# Altium PCB TCM.PcbDoc (part 9 of 10) (continued)
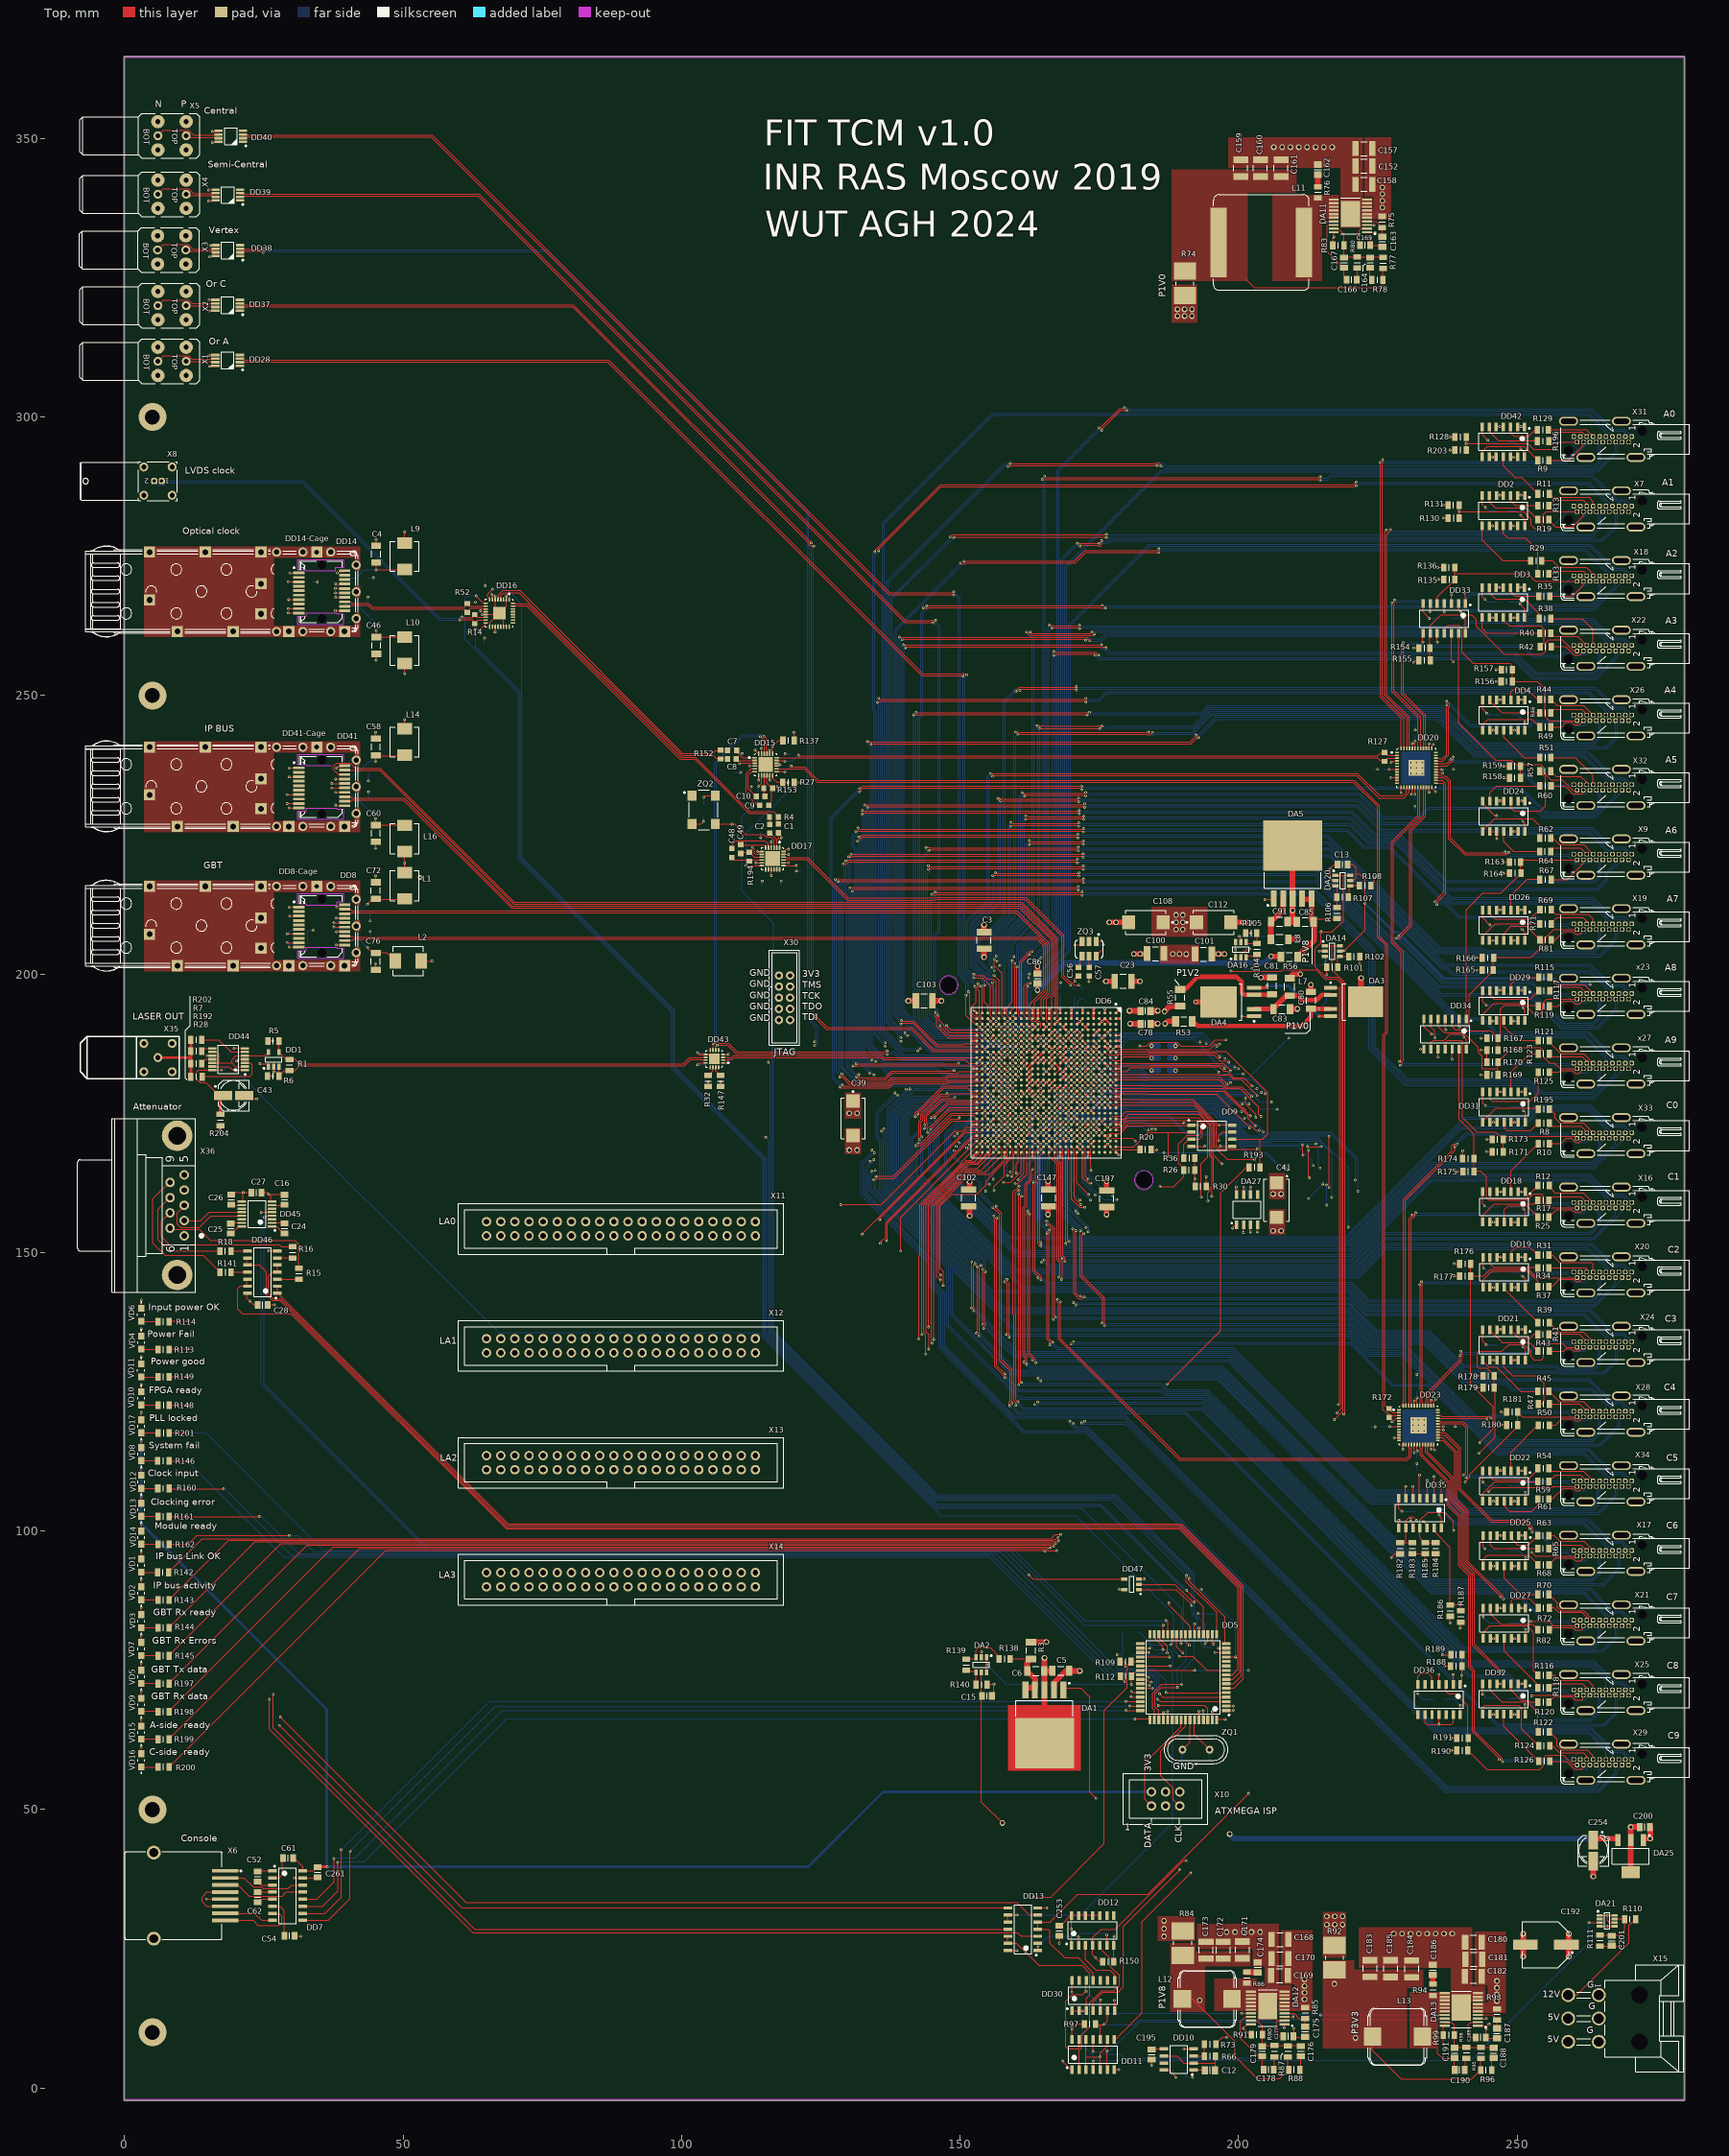
[diagram p0: Top view]
## Nets (pads, with @x,y where several pads share a name; then routed paths per layer and width w, separated by ;. In a path a pad name is that pad's centre, name@x,y a point inside that pad or via, vN(x,y) a via of type N, cw(c..) or ccw(c..) an arc to the next point about the centre after c; other vN are vias at no path point) (continued)
  Top w0.1: v1(175.5,184.5) DD6.C9@176,185
  Top w0.15: DD3.2@250.08,269.471 v1(250.679,269.471) DD3.1@251.35,269.471
  L3 w0.15: v1(199.345,183.331) 199.52,183.506 214.188,183.506 244.084,213.402 244.084,261.188 247.152,264.257 247.152,265.945 v1(250.679,269.471)
  Bot w0.1: v1(175.5,184.5) 176.808,184.5 179.316,187.007 179.316,187.344 180.261,188.289 180.5,188.289
  Bot w0.15: 180.5,188.289 192.017,188.289 196.471,183.835 197.817,183.835 197.925,183.727 198.95,183.727 v1(199.345,183.331)
TCM_SPI_MOSIA_3: DD3.12 DD3.13 DD6.G10 | length 143.7
  Top w0.1: v1(171.5,183.5) DD6.G10@172,184
  Top w0.15: DD3.12@248.81,263.971 v1(249.488,263.971) DD3.13@250.08,263.971
  L3 w0.15: v1(199.977,183) 200.182,183.206 214.312,183.206 244.41,213.304 244.41,242.869 245.046,243.505 245.046,261.38 247.637,263.971 v1(249.488,263.971)
  Bot w0.1: v1(171.5,183.5) 172.026,184.026 172.742,184.026 172.821,184.105 174.336,184.105 175.663,184.105 177.059,184.105 178.949,185.996 180.5,185.996
  Bot w0.15: 180.5,185.996 185.295,185.996 185.3,186 187.9,186 187.905,185.996 193.886,185.996 196.347,183.535 197.693,183.535 197.801,183.427 198.577,183.427 199.137,182.866 199.843,182.866 v1(199.977,183)
TCM_SPI_MOSIA_4: DD4.9 DD4.10 DD6.B10 | length 113.4
  Top w0.1: DD6.B10@177,184 177.5,183.5 180.5,183.5
  Top w0.15: 180.5,183.5 183.892,183.5 184.028,183.637 196.933,183.637 v1(197.5,183.07) ; DD4.9@245.092,243.762 v1(245.727,243.762) DD4.10@246.362,243.762
  L3 w0.15: v1(197.5,183.07) 198.769,183.07 199.304,182.535 200.169,182.535 200.54,182.906 214.436,182.906 244.71,213.179 244.71,242.745 v1(245.727,243.762)
TCM_SPI_MOSIA_5: DD6.G11 DD24.4 DD24.5 | length 109.1
  Top w0.1: DD6.G11@172,183.001 v1(172.5,183.5)
  Top w0.15: DD24.5@246.354,231.102 v1(246.94,231.102) DD24.4@247.624,231.102
  L3 w0.15: v1(196.475,182.348) 197.54,181.284 198.894,181.284 199.183,180.994 201.249,180.994 201.661,181.406 215.058,181.406 246.21,212.558 246.21,223.324 246.94,224.054 v1(246.94,231.102)
  Bot w0.1: v1(172.5,183.5) 172.904,183.905 174.253,183.905 175.746,183.905 ; 175.746,183.905 178.372,183.905 178.603,183.674 180.5,183.674
  Bot w0.15: 180.5,183.674 182.401,183.674 182.527,183.8 195.024,183.8 v1(196.475,182.348)
TCM_SPI_MOSIA_6: DD6.B11 DD26.1 DD26.2 | length 90.1
  Top w0.1: DD6.B11@177,183 177.499,182.5 179.881,182.5 180.5,183.12
  Top w0.15: 180.5,183.12 180.58,183.2 184.016,183.2 184.153,183.337 196.576,183.337 197.307,182.605 197.919,182.605 199.125,181.4 200.948,181.4 v1(202.443,179.905) ; DD26.2@250.156,211.528 v1(250.785,211.528) DD26.1@251.426,211.528
  L3 w0.15: v1(202.443,179.905) 202.743,180.206 215.555,180.206 245.693,210.344 246.733,210.344 247.917,211.528 v1(250.785,211.528)
TCM_SPI_MOSIA_7: DD6.E12 DD26.12 DD26.13 | length 89.3
  Top w0.1: DD6.E12@174,182 v1(174.5,181.5)
  Top w0.15: DD26.12@248.886,206.028 v1(249.521,206.028) DD26.13@250.156,206.028
  L3 w0.15: v1(203.312,179.44) 203.477,179.605 215.802,179.605 241.524,205.326 246.008,205.326 246.711,206.028 v1(249.521,206.028)
  Bot w0.1: v1(174.5,181.5) 174.941,181.5 175.336,181.895 177.888,181.895 178.184,181.6 180.5,181.6
  Bot w0.15: 180.5,181.6 182.353,181.6 183.553,180.4 197.115,180.4 198.178,179.337 203.209,179.337 v1(203.312,179.44)
TCM_SPI_MOSIA_8: DD6.J13 DD29.9 DD29.10 | length 85.9
  Top w0.1: v1(169.5,180.5) DD6.J13@170,181
  Top w0.15: DD29.9@245.23,191.576 v1@245.691,191.576 ; v1(245.691,191.555) v1@245.691,191.576 ; DD29.10@246.357,191.576 v1@245.691,191.576
  L3 w0.1: v1(169.5,180.5) 169.895,180.895 173.664,180.895 ; 173.664,180.895 174.664,180.895 175.105,180.454 175.105,180.337 175.337,180.105 177.663,180.105 177.988,180.43 180.5,180.43
  L3 w0.15: 180.5,180.43 182.199,180.43 182.41,180.219 196.023,180.219 197.769,178.473 202.549,178.473 202.822,178.201 202.822,178.062 203.475,177.408 205.217,177.408 205.597,177.788 216.531,177.788 226.648,187.905 240.674,187.905 244.324,191.555 v1(245.691,191.555)
TCM_SPI_MOSIA_9: DD6.D13 DD31.4 DD31.5 | length 76.6
  Top w0.1: DD6.D13@175,181 v1(175.5,180.5)
  Top w0.15: DD31.5@246.395,178.9 v1(247.03,178.9) DD31.4@247.665,178.9
  L3 w0.15: v1(201.897,176.7) 202.657,175.94 206.385,175.94 206.703,176.257 217.122,176.257 219.764,178.9 v1(247.03,178.9)
  Bot w0.1: v1(175.5,180.5) 176.105,179.895 176.663,179.895 176.882,179.677 180.5,179.677
  Bot w0.15: 180.5,179.677 182.58,179.677 183.056,179.2 196.618,179.2 198.653,177.165 200.857,177.165 201.322,176.7 v1(201.897,176.7)
TCM_SPI_MOSIC_0: DD6.H14 DD18.1 DD18.2 | length 90.5
  Top w0.1: v1(170.5,180.5) DD6.H14@171,180
  Top w0.15: DD18.2@250.218,160.938 v1(250.856,160.938) DD18.1@251.488,160.938
  L3 w0.15: v1(200.54,175.307) 200.856,174.991 205.798,174.991 206.107,174.682 237.112,174.682 v1(250.856,160.938)
  Bot w0.1: v1(170.5,180.5) 171.105,179.895 ; 171.106,179.895 171.664,179.895 172.105,179.455 172.105,179.337 172.346,179.095 175.746,179.095 175.936,178.905 179.598,178.905 179.604,178.9 180.5,178.9
  Bot w0.15: 180.5,178.9 182.508,178.9 182.861,178.546 196.423,178.546 199.663,175.307 v1(200.54,175.307)
TCM_SPI_MOSIC_1: DD6.C14 DD18.12 DD18.13 | length 86
  Top w0.1: DD6.C14@176,180 v1(176.5,179.5)
  Top w0.15: v1(201.226,177.708) 201.273,177.661 201.273,176.666 203.088,174.851 v1(203.088,174.265) ; DD18.12@248.948,155.438 v1(249.583,155.438) DD18.13@250.218,155.438
  L3 w0.1: v1(176.5,179.5) 177.529,179.5 177.639,179.61 180.5,179.61
  L3 w0.15: 180.5,179.61 195.784,179.61 197.686,177.708 v1(201.226,177.708) ; v1(203.088,174.265) 203.284,174.07 203.618,174.07 203.707,173.98 231.041,173.98 v1(249.583,155.438)
TCM_SPI_MOSIC_2: DD6.J15 DD19.9 DD19.10 | length 94.8
  Top w0.1: DD6.J15@170,179 v1@170.5,179.5
  Top w0.15: DD19.9@245.15,143.733 v1(245.785,143.733) DD19.10@246.42,143.733
  L3 w0.1: v1(170.5,179.5) 170.942,179.5 171.337,179.105 172.453,179.105 ; 172.453,179.105 173.612,179.105 174.212,178.505 174.653,178.505 175.253,177.905 175.746,177.905 176.236,178.395 178.914,178.395 179.145,178.164 180.5,178.164
  L3 w0.15: 180.5,178.164 195.533,178.164 197.364,176.332 198.171,176.332 201.64,172.863 202.15,172.863 202.774,172.24 203.365,172.24 203.598,172.473 220.642,172.473 245.785,147.33 v1(245.785,143.733)
TCM_SPI_MOSIC_3: DD6.D15 DD21.4 DD21.5 | length 95
  Top w0.1: DD6.D15@175,179 v1(175.5,178.5)
  Top w0.15: DD21.5@246.391,136.196 v1(247.032,136.196) DD21.4@247.661,136.196
  L3 w0.15: v1(204.422,171.708) 204.587,171.543 218.145,171.543 241.012,148.675 241.012,142.216 v1(247.032,136.196)
  Bot w0.1: v1(175.5,178.5) 179.306,178.5 179.604,178.202 180.5,178.202
  Bot w0.15: 180.5,178.202 182.357,178.202 182.613,177.946 196.174,177.946 200.938,173.183 203.232,173.183 204.422,171.993 v1(204.422,171.708)
TCM_SPI_MOSIC_4: DD6.K16 DD22.1 DD22.2 | length 126
  Top w0.1: v1(168.5,177.5) DD6.K16@169,178
  Top w0.15: DD22.2@250.215,110.851 v1(250.851,110.851) DD22.1@251.484,110.851
  L3 w0.15: v1(213.924,169.48) 213.924,169.268 214.65,168.542 215.97,168.542 220.775,163.737 221.286,163.737 231.848,153.175 231.848,131.012 250.851,112.009 v1(250.851,110.851)
  Bot w0.1: v1(168.5,177.5) 169.105,176.895 170.2,176.895 171,176.095 174.046,176.095 174.857,175.285 180.5,175.285
  Bot w0.15: 180.5,175.285 195.442,175.285 201.284,169.443 211.022,169.443 211.306,169.726 211.691,169.726 211.938,169.48 v1(213.924,169.48)
TCM_SPI_MOSIC_5: DD6.E16 DD22.12 DD22.13 | length 126.5
  Top w0.1: DD6.E16@174,178 v1(174.5,177.5)
  Top w0.15: DD22.12@248.944,105.351 v1(249.582,105.351) DD22.13@250.215,105.351
  L3 w0.15: v1(220.97,162.972) 220.97,162.626 231.248,152.347 231.248,130.743 246.344,115.647 246.344,108.589 v1(249.582,105.351)
  Bot w0.1: v1(174.5,177.5) 174.941,177.5 175.346,177.095 175.746,177.095 180.5,177.095
  Bot w0.15: 180.5,177.095 182.191,177.095 182.367,176.919 195.929,176.919 201.905,170.943 204.739,170.943 205.117,171.321 216.475,171.321 220.97,166.827 v1(220.97,162.972)
TCM_SPI_MOSIC_6: DD6.M17 DD25.9 DD25.10 | length 145.2
  Top w0.1: DD6.M17@167,177 v1(167.5,177.5)
  Top w0.15: DD25.9@245.166,93.713 v1(245.766,93.713) DD25.10@246.436,93.713
  L3 w0.1: v1(167.5,177.5) 168.105,176.895 168.105,176.336 168.547,175.895 168.664,175.895 169.105,175.453 169.105,175.337 169.547,174.895 171.034,174.895 171.428,174.501 180.44,174.501 180.465,174.526 180.5,174.526
  L3 w0.15: 180.5,174.526 193.288,174.526 200.614,167.2 209.619,167.2 214.117,162.702 214.117,162.69 215.852,160.954 216.773,160.954 223.434,154.293 223.434,103.376 228.495,98.315 241.164,98.315 v1(245.766,93.713)
TCM_SPI_MOSIC_7: DD6.G17 DD27.4 DD27.5 | length 149.6
  Top w0.1: DD6.G17@172,177 v1(172.5,177.5)
  Top w0.15: DD27.5@246.436,86.2 v1(247.067,86.2) DD27.4@247.706,86.2
  L3 w0.15: v1(216.755,159.89) 222.803,153.842 222.803,103.025 228.783,97.045 237.022,97.045 247.067,87 v1(247.067,86.2)
  Bot w0.1: v1(172.5,177.5) 172.941,177.5 173.336,177.105 173.663,177.105 173.891,176.878 174.664,176.878 175.105,176.437 175.105,176.336 175.536,175.905 176.746,175.905 176.811,175.97 180.5,175.97
  Bot w0.15: 180.5,175.97 195.605,175.97 201.533,170.043 205.677,170.043 205.961,170.326 214.181,170.326 216.755,167.752 v1(216.755,159.89)
TCM_SPI_MOSIC_8: DD6.B17 DD32.1 DD32.2 | length 153.4
  Top w0.1: DD6.B17@177,177 177.5,176.5 180.5,176.5
  Top w0.15: 180.5,176.5 191.987,176.5 195.41,173.077 195.41,167.561 197,165.971 v1(197,165.9) ; DD32.2@250.194,72.592 v1(250.829,72.592) DD32.1@251.464,72.592
  L3 w0.15: v1(197,165.9) 208.755,165.9 215.58,159.075 215.925,159.075 221.903,153.097 221.903,98.76 246.413,74.25 249.171,74.25 v1(250.829,72.592)
TCM_SPI_MOSIC_9: DD6.J18 DD32.12 DD32.13 | length 169.8
  Top w0.1: v1(169.5,175.5) DD6.J18@170,176
  Top w0.15: DD32.12@248.924,67.092 v1(249.58,67.092) DD32.13@250.194,67.092
  L3 w0.1: v1(169.5,175.5) 169.896,175.105 172.613,175.105 172.997,174.721 178.14,174.721 178.261,174.842 180.5,174.842
  L3 w0.15: 180.5,174.842 193.396,174.842 200.738,167.5 209.878,167.5 215.054,162.324 v1(215.14,162.324) ; v1(212.572,159.675) 220.326,151.922 220.326,88.386 236.21,72.502 236.898,72.502 242.773,66.627 249.115,66.627 v1(249.58,67.092)
  Bot w0.15: v1(212.572,159.675) 212.572,159.756 v1(215.14,162.324)
TCM_SPI_SELA_0: DD6.D8 DD42.1 DD42.2 | length 170.3
  Top w0.1: DD6.D8@175,186 v1(175.5,185.5)
  Top w0.15: DD42.2@250.082,298.297 v1(250.717,298.297) DD42.1@251.352,298.297
  L3 w0.1: v1(175.5,185.5) 176.105,186.105 176.105,186.766 176.444,187.105 176.663,187.105 177.953,188.395 178.914,188.395 178.985,188.323 180.026,188.323 180.099,188.25 180.5,188.25
  L3 w0.15: 180.5,188.25 183.818,188.25 183.893,188.325 191.133,188.325 193.543,185.915 213.203,185.915 241.684,214.396 241.684,286.79 246.237,291.344 246.237,291.406 250.717,295.886 v1(250.717,298.297)
TCM_SPI_SELA_1: DD6.F9 DD42.12 DD42.13 | length 168.2
  Top w0.1: v1(172.5,185.5) DD6.F9@173,185
  Top w0.15: DD42.12@248.812,292.797 v1(249.401,292.797) DD42.13@250.082,292.797
  L3 w0.1: v1(172.5,185.5) 172.895,185.105 175.813,185.105 177.105,186.397 177.105,186.663 177.336,186.895 177.826,186.895 178.536,187.605 178.914,187.605 179.252,187.944 180.5,187.944
  L3 w0.15: 180.5,187.944 183.936,187.944 184.017,188.025 191.008,188.025 193.419,185.615 213.327,185.615 241.984,214.272 241.984,286.666 248.115,292.797 v1(249.401,292.797)
TCM_SPI_SELA_2: DD2.9 DD2.10 DD6.A9 | length 145.9
  Top w0.1: DD6.A9@178,185 178.568,185.568 180.5,185.568
  Top w0.15: 180.5,185.568 183.759,185.568 184.017,185.825 195.923,185.825 v1(196.617,185.131) ; DD2.9@245.019,280.469 v1(245.654,280.469) DD2.10@246.289,280.469
  L3 w0.15: v1(196.617,185.131) 196.791,185.306 213.442,185.306 242.284,214.147 242.284,276.735 245.654,280.105 v1(245.654,280.469)
TCM_SPI_SELA_3: DD3.4 DD3.5 DD6.E10 | length 143.3
  Top w0.1: v1(173.5,183.5) DD6.E10@174,184
  Top w0.15: DD3.5@246.27,269.471 v1(246.832,269.471) DD3.4@247.54,269.471
  L3 w0.1: v1(173.5,183.5) 173.942,183.5 174.336,183.895 174.98,183.895 175.17,183.705 175.663,183.705 176.263,183.105 178.307,183.105 179.556,184.354 180.5,184.354
  L3 w0.15: 180.5,184.354 184.062,184.354 184.141,184.275 190.557,184.275 191.297,183.535 197.693,183.535 197.801,183.427 198.685,183.427 199.064,183.806 214.063,183.806 243.784,213.526 243.784,261.391 246.832,264.439 v1(246.832,269.471)
TCM_SPI_SELA_4: DD4.1 DD4.2 DD6.J11 | length 130.4
  Top w0.1: v1(169.5,183.5) DD6.J11@170,183
  Top w0.15: DD4.2@250.172,249.262 v1(250.781,249.262) DD4.1@251.442,249.262
  L3 w0.15: v1(200.808,182.059) 201.055,182.306 214.685,182.306 245.31,212.931 245.31,241.714 250.781,247.185 v1(250.781,249.262)
  Bot w0.1: v1(169.5,183.5) 169.895,183.105 176.664,183.105 176.954,183.395 178.964,183.395 179.013,183.345 180.5,183.345
  Bot w0.15: 180.5,183.345 182.305,183.345 184.05,181.6 196.942,181.6 197.401,182.059 v1(200.808,182.059)
TCM_SPI_SELA_5: DD4.12 DD4.13 DD6.D11 | length 120.5
  Top w0.1: v1(174.5,183.5) DD6.D11@175,183
  Top w0.15: DD4.12@248.902,243.762 v1(249.537,243.762) DD4.13@250.172,243.762
  L3 w0.1: v1(174.5,183.5) 175.485,183.5 176.398,182.586 179.254,182.586 180.5,183.832
  L3 w0.15: 180.5,183.832 180.579,183.911 190.497,183.911 191.202,183.206 196.7,183.206 198.023,181.884 199.142,181.884 199.432,181.594 201.001,181.594 201.412,182.006 214.809,182.006 245.61,212.807 245.61,239.835 v1(249.537,243.762)
TCM_SPI_SELA_6: DD6.G12 DD24.9 DD24.10 | length 104.5
  Top w0.1: v1@171.5,182.5 DD6.G12@172,182
  Top w0.15: DD24.9@245.084,225.602 246.354,225.602 246.354,224.331 v1(246.368,224.318)
  L3 w0.1: v1(171.5,182.5) 171.71,182.5 172.105,182.895 174.437,182.895 175.228,182.105 175.663,182.105 175.736,182.177 180.5,182.177
  L3 w0.15: 180.5,182.177 181.282,182.177 182.611,183.506 190.478,183.506 191.078,182.906 196.576,182.906 197.898,181.584 199.018,181.584 199.308,181.294 201.125,181.294 201.537,181.706 214.933,181.706 245.91,212.682 245.91,223.449 246.368,223.906 v1(246.368,224.318)
TCM_SPI_SELA_7: DD6.B12 DD26.4 DD26.5 | length 85.1
  Top w0.1: DD6.B12@177,182 177.5,181.5 180.5,181.5
  Top w0.15: 180.5,181.5 196.672,181.5 v1(197.954,180.219) ; DD26.5@246.346,211.528 v1(246.981,211.528) DD26.4@247.616,211.528
  L3 w0.15: v1(197.954,180.219) 198.119,180.054 201.606,180.054 202.058,180.506 215.43,180.506 246.453,211.528 v1(246.981,211.528)
TCM_SPI_SELA_8: DD6.F13 DD29.1 DD29.2 | length 88.1
  Top w0.1: DD6.F13@173,181 v1(173.5,181.5)
  Top w0.15: DD29.2@250.167,197.076 v1@250.819,197.076 ; v1(250.819,197.098) v1@250.819,197.076 ; DD29.1@251.5,197.076 251.437,197.076 v1@250.819,197.076
  L3 w0.15: v1(204.141,178.766) 204.364,178.988 216.034,178.988 233.649,196.603 250.324,196.603 v1(250.819,197.098)
  Bot w0.1: v1(173.5,181.5) 173.895,181.105 176.663,181.105 176.678,181.12 177.721,181.12 177.761,181.08 180.5,181.08
  Bot w0.15: 180.5,181.08 182.449,181.08 183.429,180.1 196.991,180.1 198.318,178.773 204.134,178.773 v1(204.141,178.766)
TCM_SPI_SELA_9: DD6.A13 DD29.12 DD29.13 | length 80.5
  Top w0.1: DD6.A13@178,181 180.5,181
  Top w0.15: 180.5,181 196.515,181 197.761,179.754 200.611,179.754 v1(202.357,178.008) ; DD29.12@248.849,191.614 248.887,191.576 248.897,191.576 v1@249.493,191.576 ; v1(249.493,191.601) v1@249.493,191.576 ; DD29.13@250.167,191.576 v1@249.493,191.576
  L3 w0.15: v1(202.357,178.008) 202.522,178.008 202.522,177.937 203.351,177.108 205.341,177.108 205.722,177.488 216.656,177.488 226.729,187.562 240.755,187.562 244.088,190.894 248.786,190.894 v1(249.493,191.601)
TCM_SPI_SELC_0: DD6.F14 DD31.9 DD31.10 | length 78.4
  Top w0.1: v1(172.5,180.5) DD6.F14@173,180
  Top w0.15: DD31.9@245.125,173.4 v1(245.768,173.4) DD31.10@246.395,173.4
  L3 w0.15: v1(200.664,176.7) 201.724,175.64 206.368,175.64 206.726,175.282 243.886,175.282 v1(245.768,173.4)
  Bot w0.1: v1(172.5,180.5) 172.88,180.12 173.321,180.12 173.336,180.105 173.664,180.105 173.679,180.12 173.883,180.12 174.083,179.92 175.638,179.92 176.105,179.454 176.105,179.337 176.336,179.105 176.663,179.105 176.797,179.239 180.5,179.239
  Bot w0.15: 180.5,179.239 182.593,179.239 182.932,178.9 196.494,178.9 198.694,176.7 v1(200.664,176.7)
TCM_SPI_SELC_1: DD6.A14 DD18.4 DD18.5 | length 78.9
  Top w0.1: DD6.A14@178,180 180.5,180
  Top w0.15: 180.5,180 197.091,180 197.637,179.454 200.253,179.454 203.593,176.114 203.593,174.872 v1(204.02,174.445) ; DD18.5@246.408,160.938 v1(247.043,160.938) DD18.4@247.678,160.938
  L3 w0.15: v1(204.02,174.445) 204.143,174.321 232.875,174.321 246.259,160.938 v1(247.043,160.938)
TCM_SPI_SELC_2: DD6.F15 DD19.1 DD19.2 | length 92.3
  Top w0.1: DD6.F15@173,179 v1(173.5,179.5)
  Top w0.15: DD19.2@250.23,149.233 v1(250.865,149.233) DD19.1@251.5,149.233
  L3 w0.1: v1(173.5,179.5) 174.294,178.705 174.736,178.705 175.336,178.105 175.663,178.105 176.153,178.595 178.996,178.595 179.004,178.587 180.5,178.587
  L3 w0.15: 180.5,178.587 195.533,178.587 197.489,176.632 198.497,176.632 200.477,174.652 201.367,174.652 201.678,174.341 201.678,174.333 202.542,173.47 203.369,173.47 203.466,173.373 226.726,173.373 v1(250.865,149.233)
TCM_SPI_SELC_3: DD6.A15 DD19.12 DD19.13 | length 89
  Top w0.1: DD6.A15@178,179 180.5,179
  Top w0.15: 180.5,179 197.242,179 197.388,178.854 197.391,178.854 198.308,177.936 ; 198.307,177.935 200.47,175.772 200.732,175.772 201.005,175.499 201.005,175.237 201.678,174.564 201.678,174.079 v1(203.052,172.705) ; DD19.12@248.96,143.733 v1(249.595,143.733) DD19.13@250.23,143.733
  L3 w0.15: v1(203.052,172.705) 203.12,172.773 222.29,172.773 249.595,145.468 v1(249.595,143.733)
TCM_SPI_SELC_4: DD6.H16 DD21.9 DD21.10 | length 102.3
  Top w0.1: DD6.H16@171,178 v1(171.5,178.5)
  Top w0.15: v1(212.386,169.007) v1(214.843,169.007) ; DD21.9@245.121,130.696 v1(245.756,130.696) DD21.10@246.391,130.696
  L3 w0.1: v1(171.5,178.5) 171.905,178.5 172.509,177.895 172.664,177.895 172.895,177.664 172.895,177.546 173.337,177.105 174.719,177.105 175.105,176.719 175.105,176.336 175.336,176.105 176.664,176.105 177.094,176.536 179.612,176.536 179.961,176.884 180.5,176.884
  L3 w0.15: 180.5,176.884 194.886,176.884 201.814,169.956 211.462,169.956 212.386,169.031 v1(212.386,169.007) ; v1(214.843,169.007) 216.163,169.007 221.133,164.037 221.411,164.037 236.851,148.597 236.851,144.283 245.756,135.378 v1(245.756,130.696)
TCM_SPI_SELC_5: DD6.C16 DD22.4 DD22.5 | length 116.1
  Top w0.1: DD6.C16@176,178 v1(176.5,177.5)
  Top w0.15: DD22.5@246.405,110.851 v1@247.04,110.851 ; v1(247.034,110.86) 247.034,110.856 v1@247.04,110.851 ; DD22.4@247.674,110.851 v1@247.04,110.851
  L3 w0.1: v1(176.5,177.5) 179.362,177.5 179.706,177.844 180.5,177.844
  L3 w0.15: 180.5,177.844 195.199,177.844 202.187,170.856 212.043,170.856 213.459,169.44 213.459,169.287 214.504,168.242 215.741,168.242 220.546,163.437 221.162,163.437 231.548,153.051 231.548,130.887 231.598,130.838 231.598,130.818 247.034,115.381 v1(247.034,110.86)
TCM_SPI_SELC_6: DD6.K17 DD25.1 DD25.2 | length 145.2
  Top w0.1: DD6.K17@169,177 v1(169.5,176.5)
  Top w0.15: DD25.2@250.246,99.213 v1(250.892,99.213) DD25.1@251.516,99.213
  L3 w0.15: v1(213.442,165.631) 225.001,154.072 225.001,103.745 227.808,100.938 249.167,100.938 v1(250.892,99.213)
  Bot w0.1: v1(169.5,176.5) 170.105,175.895 170.664,175.895 ; 170.664,175.895 173.929,175.895 174.857,174.968 180.5,174.968
  Bot w0.15: 180.5,174.968 195.292,174.968 201.117,169.143 210.544,169.143 213.131,166.555 213.131,165.942 v1(213.442,165.631)
TCM_SPI_SELC_7: DD6.E17 DD25.12 DD25.13 | length 148.6
  Top w0.1: v1(173.5,177.5) DD6.E17@174,177
  Top w0.15: v1(216.283,161.663) v1(216.283,170.856) ; DD25.12@248.976,93.713 v1(249.58,93.713) DD25.13@250.246,93.713
  L3 w0.15: v1(216.283,161.663) 216.488,161.663 223.734,154.417 223.734,103.719 228.562,98.891 245.216,98.891 249.58,94.527 v1(249.58,93.713)
  Bot w0.1: v1(173.5,177.5) 173.553,177.5 173.975,177.078 174.746,177.078 174.929,176.895 175.664,176.895 ; 175.664,176.895 176.664,176.895 176.894,176.665 180.5,176.665
  Bot w0.15: 180.5,176.665 182.197,176.665 182.243,176.619 195.804,176.619 201.781,170.643 204.863,170.643 205.147,170.926 216.212,170.926 v1(216.283,170.856)
TCM_SPI_SELC_8: DD6.L18 DD27.9 DD27.10 | length 149.2
  Top w0.1: v1(167.5,175.5) DD6.L18@168,176
  Top w0.15: DD27.9@245.166,80.7 v1(245.766,80.7) DD27.10@246.436,80.7
  L3 w0.1: v1(167.5,175.5) 167.941,175.5 169.336,174.105 171.312,174.105 171.426,174.22 180.5,174.22
  L3 w0.15: 180.5,174.22 193.17,174.22 201.006,166.384 202.531,166.384 202.645,166.27 208.809,166.27 215.704,159.375 216.05,159.375 222.203,153.221 222.203,102.777 228.534,96.445 228.581,96.445 243.126,81.9 244.566,81.9 v1(245.766,80.7)
TCM_SPI_SELC_9: DD6.F18 DD32.4 DD32.5 | length 158.2
  Top w0.1: v1(172.5,175.5) DD6.F18@173,176
  Top w0.15: DD32.5@246.384,72.592 v1(246.932,72.592) DD32.4@247.654,72.592
  L3 w0.1: v1(172.5,175.5) 173.079,174.921 177.094,174.921 177.344,175.171 180.5,175.171
  L3 w0.15: 180.5,175.171 193.492,175.171 200.863,167.8 210.002,167.8 215.013,162.789 215.333,162.789 215.8,162.322 v1(215.8,162.108) ; v1(215.834,158.508) 218.535,155.807 218.535,155.055 221.303,152.287 221.303,90.374 238.779,72.897 246.627,72.897 v1(246.932,72.592)
  Bot w0.15: v1(215.8,162.108) 215.8,158.543 v1(215.834,158.508)
Tempsens_CS: DA27.4 DD5.2 | length 90.7
  Top w0.15: DD5.2@197.586,68.582 197.604,68.6 v1(199.1,68.6) ; v1(203.4,153.7) 203.44,153.74 DA27.4@203.44,155.191
  L3 w0.15: v1(199.1,68.6) 198.144,69.556 198.144,147.704 203.4,152.96 v1(203.4,153.7)
Tempsens_DIN: DA27.3 DD5.1 | length 91.2
  Top w0.15: DD5.1@197.586,67.782 197.604,67.8 v1(199.1,67.8) ; v1(202.143,153.7) 202.17,153.726 DA27.3@202.17,155.191
  L3 w0.15: v1(199.1,67.8) 197.844,69.056 197.844,148.774 202.143,153.073 v1(202.143,153.7)
Tempsens_DOUT: DA27.2 DD5.64 | length 92
  Top w0.15: DD5.64@196.086,66.282 196.168,66.2 v1(197.6,66.2) ; v1(200.857,153.6) 200.857,155.148 DA27.2@200.9,155.191
  L3 w0.15: v1(197.6,66.2) 197.544,66.256 197.544,150.144 200.857,153.457 v1(200.857,153.6)
Tempsens_SCLK: DA27.1 DD5.63 | length 90.7
  Top w0.15: DD5.63@195.286,66.282 195.286,67.586 v1(195.3,67.6) ; v1(198.9,154.4) 198.9,154.462 DA27.1@199.63,155.191
  L3 w0.15: v1(195.3,67.6) 197.244,69.544 197.244,151.156 198.9,152.812 v1(198.9,154.4)
Vertex_N: DD6.W11 DD38.3 | length 258.4
  Top w0.1: DD6.W11@160,183 v1(160.5,182.5)
  Top w0.2: DD38.3@20.545,330.111 24.843,330.111 v1(24.904,330.171)
  L3 w0.1: 150.5,181.842 155.283,181.842 155.336,181.895 158.664,181.895 ; 158.664,181.895 159.895,181.895 v1(160.5,182.5)
  L3 w0.17: v1(123.9,187.2) 128.9,187.2 133.246,182.853 147.463,182.853 148.474,181.842 150.5,181.842
  Bot w0.17: 121.841,284.063 122.837,283.067 122.837,276.496 123,276.333 123,191.999 124.42,190.579 124.42,187.678 123.942,187.2 v1(123.9,187.2)
  Bot w0.2: v1(24.904,330.171) 25.044,330.031 75.873,330.031 121.841,284.063
Vertex_P: DD6.V11 DD38.2 | length 258
  Top w0.1: v1(160.5,183.5) DD6.V11@161,183
  Top w0.2: DD38.2@20.545,329.461 21.345,329.461 21.626,329.742 24.64,329.742 24.841,329.541 v1(24.904,329.541)
  L3 w0.1: 150.5,182.162 152.446,182.162 152.504,182.105 159.663,182.105 160.058,182.5 160.058,183.058 v1(160.5,183.5)
  L3 w0.17: v1(123.9,187.83) 123.942,187.83 124.252,187.52 129.032,187.52 133.379,183.173 147.595,183.173 148.607,182.162 150.5,182.162
  Bot w0.17: 121.5,283.909 122.517,282.892 122.517,276.364 122.68,276.201 122.68,191.866 124.1,190.446 124.1,188.03 v1(123.9,187.83)
  Bot w0.2: v1(24.904,329.541) 25.044,329.681 75.728,329.681 121.5,283.909
VIN_P5V0: C11.2 C13.2 C14.2 C15.2 C28.2 C152.2 C157.2 C158.2 C168.2 C169.2 C170.2 C180.2 C181.2 C182.2 C192.1 C194.2 C200.2 C253.2 DA2.5 DA11.5 DA11.6 DA11.7 DA12.5 DA12.6 DA12.7 DA13.5 DA13.6 DA13.7 DA14.5 DA16.5 DA20.5 DA21.1 DA21.6 DA21.8 DA25.1 DD10.4 DD10.8 DD11.14 DD12.1 DD12.10 DD12.11 DD12.12 DD12.13 DD12.14 DD13.14 DD30.14 DD46.14 R58.2 R75.2 R79.2 R85.2 R89.2 R93.2 R97.2 R204.1 X15.5 X15.6 X36.1 | length 410.3
  Top w0.15: DD46.14@22,142.69 22,141.8 v1(22.5,141.3) 23.2,140.6 C28.2@23.8,140.6 ; DD13.14@158.526,24.716 160.189,24.716 v1(160.218,24.687) ; C253.2@167.829,29.262 168.178,29.262 169.955,31.04 DD12.14@170.001,31.085 ; DD12.1@170.001,25.585 v1(170,28.526) DD12.14@170.001,31.085 ; DD11.14@170.085,8.799 170.085,10.631 v1(170.088,10.634) 170.974,11.52 R97.2@172.319,11.52 ; v1(170.112,17.214) 170.114,17.216 DD30.14@170.114,19.37 ; DD12.10@175.081,31.085 172.54,31.085 DD12.14@170.001,31.085 ; v1(190.2,7.029) DD10.4@191.774,7.029 ; v1(200.1,206.8) 200.408,206.492 DA16.5@200.408,205.53 ; DA14.5@217.958,204.107 218.051,204.2 v1(219,204.2) 222.7,207.9 v1(222.7,212.7) 222.7,217 221.7,218 221.1,218 ; C13.2@219.7,219.719 220.48,219.719 221.1,219.1 221.1,218 ; DA20.5@219.872,216.786 220.686,216.786 221.1,217.2 221.1,218
  Top w0.2: DA2.5@153.85,74.863 153.85,51.35 v2(157.6,47.6) ; DD10.8@186.774,3.219 187.493,3.219 v1(188.774,1.939) ; DA21.1@264.95,31 v1(266.2,31) ; DA21.6@267.4,29.7 266.6,29.7 266.2,30.1 v1(266.2,31) ; DA21.8@267.4,31 v1(266.2,31)
  Top w0.5: v1(17.2,172) R204.1@17.2,172.802
  Top w1: v2(259.3,23.6) v2(259.3,27.7) ; DA25.1@272.709,44.77 v2(273.909,44.77) C200.2@273.909,46.87
  L3 w0.5: v1(17.2,172) 17.2,146.65 17.325,146.525
  L3 w2.5: X36.1@10.92,152.93 17.2,146.65 ; 17.325,146.525 53.5,110.35 53.5,89.8 95.7,47.6 v2(157.6,47.6)
  Bot w0.15: C14.2@200.408,205.68 200.408,206.492 v1(200.1,206.8) 205.46,206.8 210.66,201.6 ; R58.2@208.96,199.9 210.66,201.6 ; v1(219,204.2) 218.942,204.257 217.758,204.257 215.101,201.6 210.66,201.6
  Bot w0.2: C194.2@188.274,3.229 188.274,2.439 v1(188.774,1.939) ; R89.2@205.148,13.414 205.934,14.2 210.129,14.2 v2(211.853,15.923) ; R79.2@220.719,335.133 223.319,335.133 v2(225.819,337.633)
  Bot w0.5: v1(222.7,212.7) 227.93,207.47 228.974,207.47 229.348,207.095 229.348,206.699 236.847,199.2 256.725,199.2 257.775,198.15 257.824,198.15 257.874,198.1 260.626,198.1 260.676,198.15 v1(263.172,198.15)
  other v2: 246.374,15.637 246.374,16.828 211.853,17.114 246.374,18.027 211.853,18.314 246.374,19.227 211.853,19.514 225.819,338.833 225.819,340.033 225.819,341.223
VIN_P12V0: R110.2 X15.4 | length 19.5
  Top w0.2: X15.4@259.2,16.7 260.7,16.7 270.1,26.1 270.1,29.15 R110.2@271.3,30.35
X1_N: DD28.6 X1.1 | length 11.2
  Top w0.2: X1.1@6,310 7,311 11.494,311 12.074,310.42 DD28.6@16.5,310.42
X1_P: DD28.7 X1.2 | length 5.5
  Top w0.2: X1.2@11.08,310 15.47,310 15.7,309.77 DD28.7@16.5,309.77
X2_N: DD37.6 X2.1 | length 11.2
  Top w0.2: X2.1@6,320 7,321 11.494,321 12.142,320.352 DD37.6@16.541,320.352
X2_P: DD37.7 X2.2 | length 5.6
  Top w0.2: X2.2@11.08,320 15.443,320 15.741,319.702 DD37.7@16.541,319.702
X3_N: DD38.6 X3.1 | length 11.4
  Top w0.2: X3.1@5.93,330 6.93,331 11.424,331 12.091,330.333 12.313,330.111 16.341,330.111 DD38.6@16.545,330.111
X3_P: DD38.7 X3.2 | length 5.8
  Top w0.2: X3.2@11.01,330 11.268,329.742 15.778,329.742 16.058,329.461 DD38.7@16.545,329.461
X4_N: DD39.6 X4.1 | length 11.3
  Top w0.2: X4.1@6,340 7,341 11.494,341 12.364,340.13 DD39.6@16.55,340.13
X4_P: DD39.7 X4.2 | length 5.7
  Top w0.2: X4.2@11.08,340 11.343,339.737 15.807,339.737 16.064,339.48 DD39.7@16.55,339.48
X5_N: DD40.6 X5.1 | length 11.9
  Top w0.2: X5.1@6,350.5 7,351.5 11.494,351.5 12.383,350.611 DD40.6@17.081,350.611
X5_P: DD40.7 X5.2 | length 6.2
  Top w0.2: X5.2@11.08,350.5 11.342,350.238 16.318,350.238 16.595,349.961 DD40.7@17.081,349.961
pads on no net: DA21.2 DA27.5 DD5.11 DD5.12 DD5.32 DD5.33 DD5.54 DD5.55 DD6.A3 DD6.A4 DD6.A18 DD6.A19 DD6.A23 DD6.A24 DD6.B1 DD6.B2 DD6.B5 DD6.B6 DD6.B19 DD6.B26 DD6.C3 DD6.C4 DD6.C18 DD6.C19 DD6.C22 DD6.C24 DD6.C26 DD6.D1 DD6.D2 DD6.D5 DD6.D6 DD6.D18 DD6.D19 DD6.D20 DD6.D24 DD6.D25 DD6.D26 DD6.E3 DD6.E4 DD6.E18 DD6.E20 DD6.E23 DD6.E25 DD6.E26 DD6.F1 DD6.F2 DD6.F5 DD6.F6 DD6.F19 DD6.F20 DD6.G3 DD6.G4 DD6.G19 DD6.G20 DD6.H1 DD6.H2 DD6.H19 DD6.J3 DD6.J4 DD6.J19 DD6.J20 DD6.K1 DD6.K2 DD6.K20 DD6.L3 DD6.L4 DD6.L19 DD6.L20 DD6.M19 DD6.N16 DD6.N18 DD6.P18 DD6.R11 DD6.R12 DD6.R18 DD6.T7 DD6.T17 DD6.U4 DD6.U9 DD6.U16 DD6.U17 DD6.V12 DD6.V13 DD6.V14 DD6.V18 DD6.V19 DD6.W13 DD6.W14 DD6.W15 DD6.W16 DD6.W18 DD6.W19 DD8.2 DD8.4 DD8.5 DD8.6 DD8.8 DD8.MTG1 DD8.MTG2 DD10.7 DD12.8 DD12.9 DD14.2 DD14.4 DD14.5 DD14.6 DD14.8 DD14.18 DD14.19 DD14.MTG1 DD14.MTG2 DD16.1 DD16.20 DD16.21 DD16.24 DD16.25 DD16.26 DD16.27 DD16.28 DD16.29 DD16.30 DD17.13 DD17.14 DD17.17 DD17.18 DD20.1 DD20.5 DD20.6 DD20.8 DD20.9 DD20.35 DD20.36 DD23.1 DD23.5 DD23.6 DD23.8 DD23.9 DD23.35 DD23.36 DD28.1 DD28.4 DD30.9 DD30.10 DD30.13 DD36.6 DD36.8 DD36.10 DD36.12 DD37.1 DD37.4 DD38.1 DD38.4 DD39.1 DD39.4 DD40.1 DD40.4 DD41.2 DD41.4 DD41.5 DD41.6 DD41.8 DD41.MTG1 DD41.MTG2 DD43.5 DD43.8 DD43.13 DD43.16 DD45.3 DD45.6 DD45.11 DD45.14 X6.1 X7.H1 X7.H2 X9.H1 X9.H2 X10.3 X10.4 X11.1 X11.5 X11.39 X12.1 X12.5 X12.39 X13.1 X13.5 X13.39 X14.1 X14.5 X14.39 X15.MECH1 X15.MECH2 X16.H1 X16.H2 X17.H1 X17.H2 X18.H1 X18.H2 X19.H1 X19.H2 X20.H1 X20.H2 X21.H1 X21.H2 X22.H1 X22.H2 x23.H1 x23.H2 X24.H1 X24.H2 X25.H1 X25.H2 X26.H1 X26.H2 x27.H1 x27.H2 X28.H1 X28.H2 X29.H1 X29.H2 X31.H1 X31.H2 X32.H1 X32.H2 X33.H1 X33.H2 X34.H1 X34.H2 ZQ2.1 ZQ3.2